# Altium PCB SEG_pressure gauge_don  V3.0.PcbDoc (part 2 of 2)
Units mil, origin at the board's own origin, x right, y up, seen from the top; angles counter-clockwise.
Board outline 2569.04 x 2565.38 mil, 2 copper layers (Top Layer, Bottom Layer); 47 components, 47 nets, 156 pads, 45 vias.
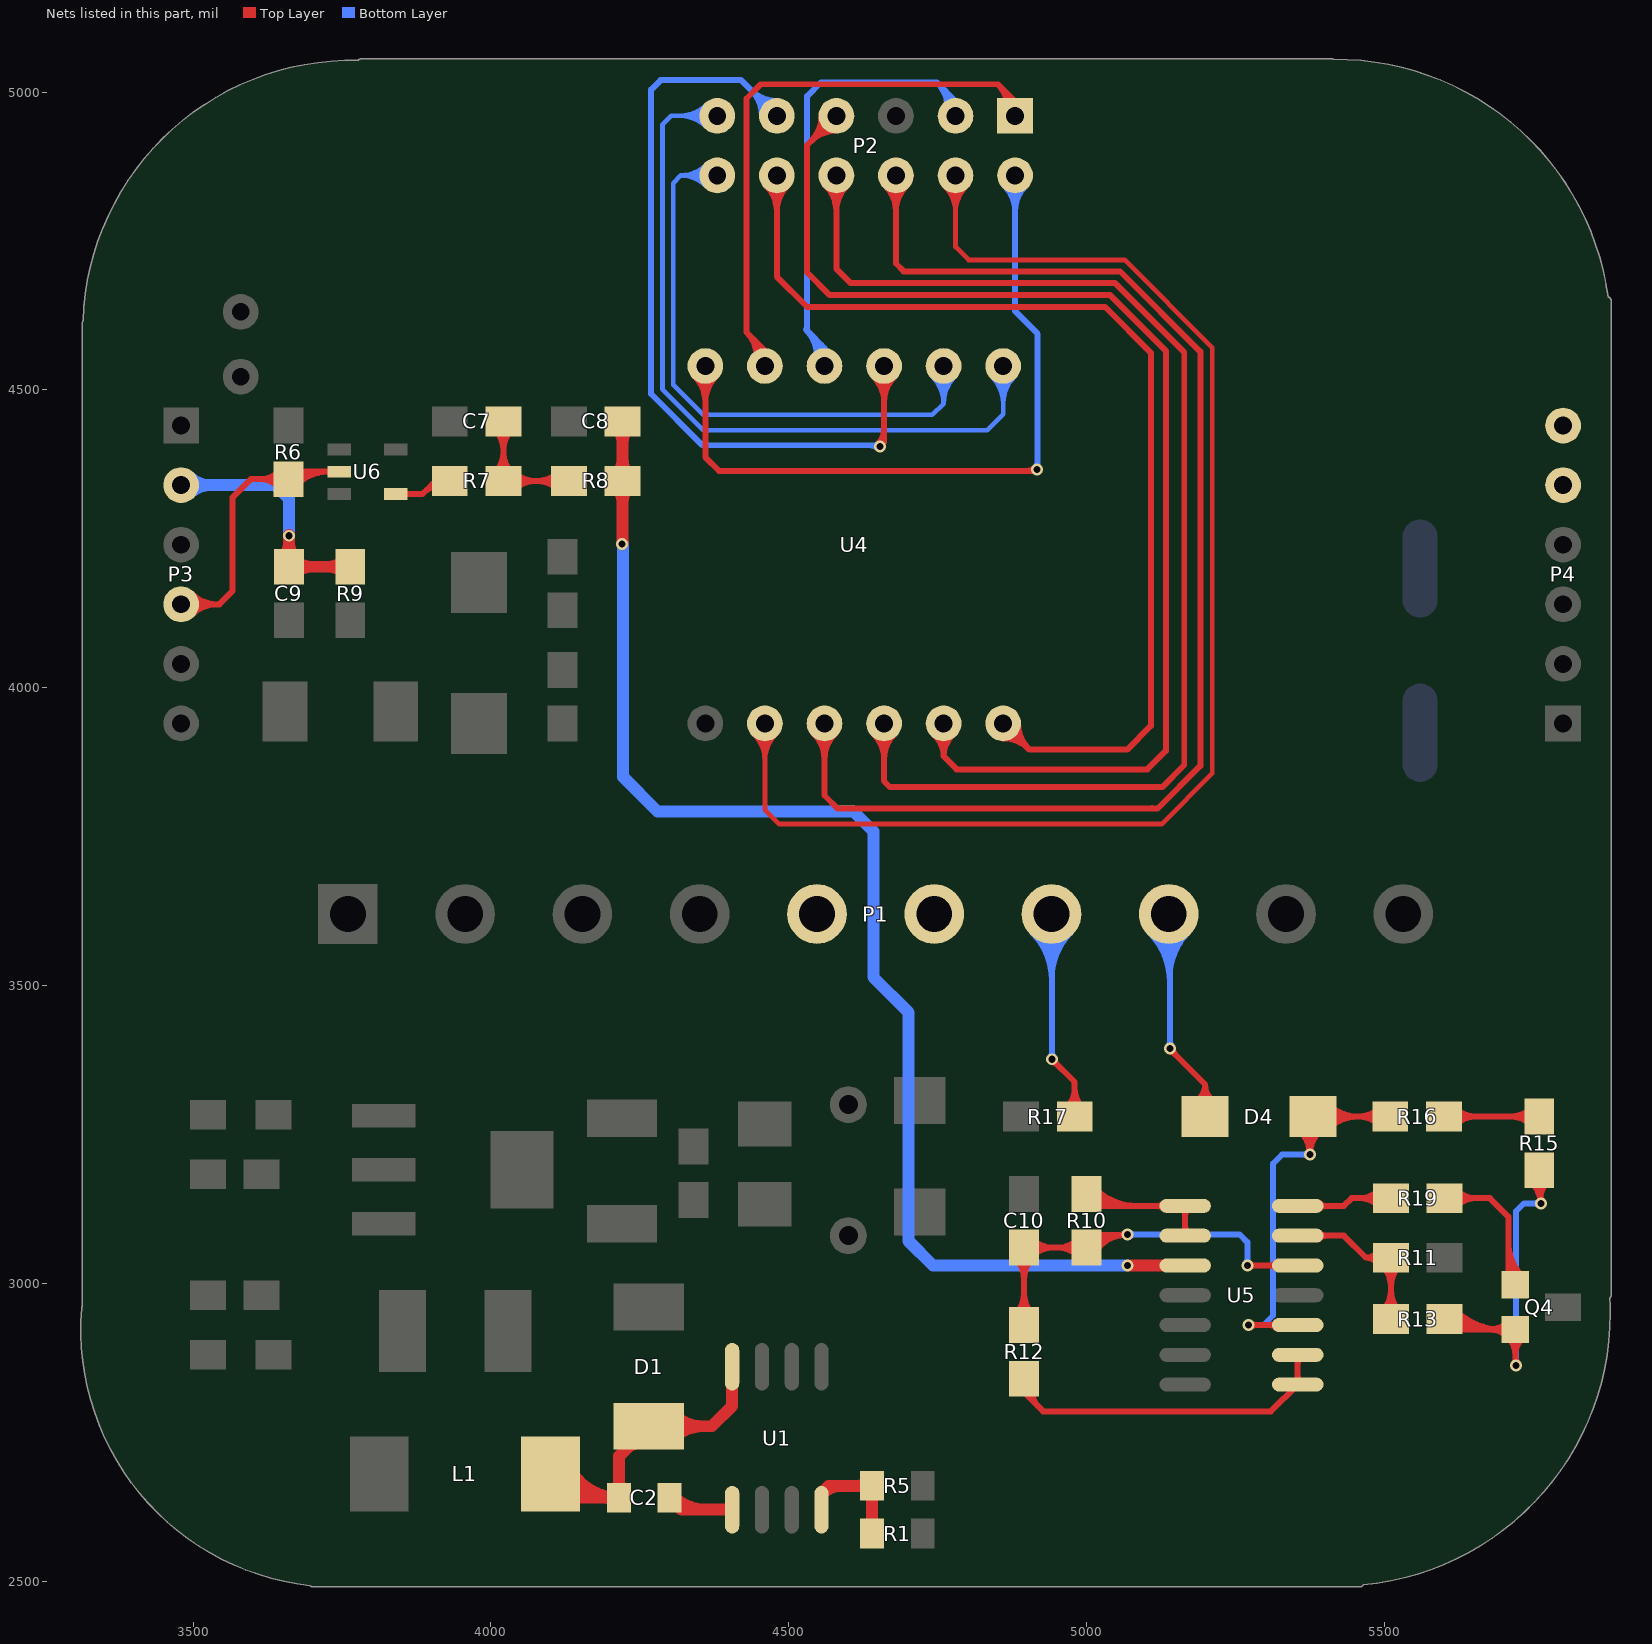
[diagram p2: the nets of this part, all layers, seen from the top]

## Via types
v1: diameter 20, hole 12, Top Layer to Bottom Layer, 45 vias

## Nets (pads, with @x,y where several pads share a name; then routed paths per layer and width w, separated by ;. In a path a pad name is that pad's centre, name@x,y a point inside that pad or via, vN(x,y) a via of type N, cw(c..) or ccw(c..) an arc to the next point about the centre after c; other vN are vias at no path point) (continued)
NetC2_1: C2.1 D1.2 L1.1 U1.8 | length 1360.9
  Top Layer w20: L1.1@4100,2680 4140,2640 C2.1@4215,2640 ; U1.8@4405,2860 4405,2794 4371,2760 D1.2@4265,2760 4215,2710 C2.1@4215,2640 ; 4190.86,2640 cw(c4190.86,2615.86) 4207.93,2632.93 ccw(c4190.86,2615.86) 4190.86,2640 ; 4190.86,2640 ccw(c4190.86,2664.14) 4207.93,2647.07 cw(c4190.86,2664.14) 4190.86,2640 ; C2.1@4215,2640 cw(c4215,2734.55) 4133.71,2686.25 ccw(c4215,2734.55) C2.1@4215,2640 ; 4215,2669.14 cw(c4190.86,2669.14) 4207.93,2652.07 ccw(c4190.86,2669.14) 4215,2669.14 ; 4215,2669.14 ccw(c4239.14,2669.14) 4222.07,2652.07 cw(c4239.14,2669.14) 4215,2669.14 ; 4355.59,2760 cw(c4355.59,2830.91) 4305.45,2780.77 ccw(c4355.59,2830.91) 4355.59,2760 ; 4355.59,2760 ccw(c4355.59,2689.09) 4305.45,2739.23 cw(c4355.59,2689.09) 4355.59,2760 ; L1.1@4099.32,2665.82 ccw(c4144.7,2692.78) 4144.7,2640 cw(c4144.7,2692.78) L1.1@4099.32,2665.82 ; L1.1@4116.52,2676.04 ccw(c4179.85,2713.67) 4179.85,2640 cw(c4179.85,2713.67) L1.1@4116.52,2676.04 ; D1.2@4228.78,2723.78 cw(c4245.31,2707.25) 4245.31,2730.63 ccw(c4245.31,2707.25) D1.2@4228.78,2723.78
NetC2_2: C2.2 U1.1 | length 231.7
  Top Layer w20: C2.2@4300,2640 4320,2620 U1.1@4405,2620 ; C2.2@4307.07,2642.07 ccw(c4360.36,2695.36) 4360.36,2620 cw(c4360.36,2695.36) C2.2@4307.07,2642.07
NetC7_1: C7.1 R7.1 R8.2 | length 816.8
  Top Layer w10: C7.1@4021,4447 R7.1@4021,4347 R8.2@4131,4347 ; 4021,4395.28 cw(c3972.72,4395.28) 4006.86,4361.14 ccw(c3972.72,4395.28) 4021,4395.28 ; 4021,4395.28 ccw(c4069.28,4395.28) 4035.14,4361.14 cw(c4069.28,4395.28) 4021,4395.28 ; 4021,4398.72 cw(c4069.28,4398.72) 4035.14,4432.86 ccw(c4069.28,4398.72) 4021,4398.72 ; 4021,4398.72 ccw(c3972.72,4398.72) 4006.86,4432.86 cw(c3972.72,4398.72) 4021,4398.72 ; 4074.28,4347 cw(c4074.28,4395.28) 4040.14,4361.14 ccw(c4074.28,4395.28) 4074.28,4347 ; 4074.28,4347 ccw(c4074.28,4298.72) 4040.14,4332.86 cw(c4074.28,4298.72) 4074.28,4347 ; 4077.72,4347 cw(c4077.72,4298.72) 4111.86,4332.86 ccw(c4077.72,4298.72) 4077.72,4347 ; 4077.72,4347 ccw(c4077.72,4395.28) 4111.86,4361.14 cw(c4077.72,4395.28) 4077.72,4347
NetC8_1: C8.1 R8.1 U5.3 | length 2590.3
  Top Layer w20: v1(4220,4241) 4221,4242 R8.1@4221,4347 C8.1@4221,4447 ; v1(5069,3030) U5.3@5165.51,3030 ; 4221,4310.79 cw(c4257.21,4310.79) 4231.61,4336.39 ccw(c4257.21,4310.79) 4221,4310.79 ; 4221,4310.79 ccw(c4184.79,4310.79) 4210.39,4336.39 cw(c4184.79,4310.79) 4221,4310.79 ; 4221,4383.21 cw(c4184.79,4383.21) 4210.39,4357.61 ccw(c4184.79,4383.21) 4221,4383.21 ; 4221,4383.21 ccw(c4257.21,4383.21) 4231.61,4357.61 cw(c4257.21,4383.21) 4221,4383.21 ; 4221,4410.79 cw(c4257.21,4410.79) 4231.61,4436.39 ccw(c4257.21,4410.79) 4221,4410.79 ; 4221,4410.79 ccw(c4184.79,4410.79) 4210.39,4436.39 cw(c4184.79,4410.79) 4221,4410.79
  Bottom Layer w20: v1@4222,4241 4222,3850 4280,3792 4609,3792 4642,3759 4642,3514 4701,3455 4701,3071 4742,3030 v1(5069,3030)
NetC9_2: C9.2 P3.2 R9.1 | length 901.5
  Top Layer w20: v1@3661,4256 v1(3661,4255) C9.2@3661,4203 R9.1@3764,4203 ; 3661,4244.21 cw(c3624.79,4244.21) 3650.39,4218.61 ccw(c3624.79,4244.21) 3661,4244.21 ; 3661,4244.21 ccw(c3697.21,4244.21) 3671.61,4218.61 cw(c3697.21,4244.21) 3661,4244.21 ; 3697.21,4203 cw(c3697.21,4239.21) 3671.61,4213.61 ccw(c3697.21,4239.21) 3697.21,4203 ; 3697.21,4203 ccw(c3697.21,4166.79) 3671.61,4192.39 cw(c3697.21,4166.79) 3697.21,4203 ; 3727.79,4203 cw(c3727.79,4166.79) 3753.39,4192.39 ccw(c3727.79,4166.79) 3727.79,4203 ; 3727.79,4203 ccw(c3727.79,4239.21) 3753.39,4213.61 cw(c3727.79,4239.21) 3727.79,4203
  Bottom Layer w20: P3.2@3480,4340 3638,4340 3661,4317 v1(3661,4255) ; 3528.28,4340 cw(c3528.28,4388.28) 3494.14,4354.14 ccw(c3528.28,4388.28) 3528.28,4340 ; 3528.28,4340 ccw(c3528.28,4291.72) 3494.14,4325.86 cw(c3528.28,4291.72) 3528.28,4340
NetC10_1: C10.1 R10.1 R12.2 U5.12 | length 1705.1
  Top Layer w10: R12.2@4895,2930 C10.1@4895,3060 R10.1@5000,3060 5021,3081 v1@5064,3081 ; v1(5270,3030) U5.12@5354.49,3030 ; 4895,2983.28 cw(c4846.72,2983.28) 4880.86,2949.14 ccw(c4846.72,2983.28) 4895,2983.28 ; 4895,2983.28 ccw(c4943.28,2983.28) 4909.14,2949.14 cw(c4943.28,2983.28) 4895,2983.28 ; 4895,3006.72 cw(c4943.28,3006.72) 4909.14,3040.86 ccw(c4943.28,3006.72) 4895,3006.72 ; 4895,3006.72 ccw(c4846.72,3006.72) 4880.86,3040.86 cw(c4846.72,3006.72) 4895,3006.72 ; 4943.28,3060 cw(c4943.28,3108.28) 4909.14,3074.14 ccw(c4943.28,3108.28) 4943.28,3060 ; 4943.28,3060 ccw(c4943.28,3011.72) 4909.14,3045.86 cw(c4943.28,3011.72) 4943.28,3060 ; 4951.72,3060 cw(c4951.72,3011.72) 4985.86,3045.86 ccw(c4951.72,3011.72) 4951.72,3060 ; 4951.72,3060 ccw(c4951.72,3108.28) 4985.86,3074.14 cw(c4951.72,3108.28) 4951.72,3060 ; v1@5064,3081 ccw(c5064,3026.11) 5017.09,3054.61 cw(c5064,3026.11) v1@5064,3081 ; 5282.07,3030 cw(c5282.07,3042.07) 5273.54,3033.54 ccw(c5282.07,3042.07) 5282.07,3030 ; 5282.07,3030 ccw(c5282.07,3017.93) 5273.54,3026.46 cw(c5282.07,3017.93) 5282.07,3030 ; 5306.55,3030 cw(c5306.55,3013.56) 5318.18,3025.18 ccw(c5306.55,3013.56) 5306.55,3030 ; 5306.55,3030 ccw(c5306.55,3046.44) 5318.18,3034.82 cw(c5306.55,3046.44) 5306.55,3030 ; R10.1@5000,3065 cw(c5028.44,3047.72) 5028.44,3081 ccw(c5028.44,3047.72) R10.1@5000,3065 ; R10.1@5008.55,3059.81 cw(c5046.22,3036.92) 5046.22,3081 ccw(c5046.22,3036.92) R10.1@5008.55,3059.81 ; 5054.51,3081 ccw(c5054.51,3096.49) 5065.46,3085.54 cw(c5054.51,3096.49) 5054.51,3081
  Bottom Layer w10: v1(5069,3082) 5257,3082 5270,3069 v1(5270,3030) ; 5081.07,3082 cw(c5081.07,3094.07) 5072.54,3085.54 ccw(c5081.07,3094.07) 5081.07,3082 ; 5081.07,3082 ccw(c5081.07,3069.93) 5072.54,3078.46 cw(c5081.07,3069.93) 5081.07,3082 ; 5270,3042.07 cw(c5257.93,3042.07) 5266.46,3033.54 ccw(c5257.93,3042.07) 5270,3042.07 ; 5270,3042.07 ccw(c5282.07,3042.07) 5273.54,3033.54 cw(c5282.07,3042.07) 5270,3042.07
NetD4_1: D4.1 R16.2 U5.10 | length 1687.3
  Top Layer w10: v1@5270,2930 v1(5272,2930) U5.10@5354.49,2930 ; R16.2@5510,3280 D4.1@5380,3280 5380,3262 5375,3257 v1(5375,3216) ; 5284.07,2930 cw(c5284.07,2942.07) 5275.54,2933.54 ccw(c5284.07,2942.07) 5284.07,2930 ; 5284.07,2930 ccw(c5284.07,2917.93) 5275.54,2926.46 cw(c5284.07,2917.93) 5284.07,2930 ; 5306.55,2930 cw(c5306.55,2913.56) 5318.18,2925.18 ccw(c5306.55,2913.56) 5306.55,2930 ; 5306.55,2930 ccw(c5306.55,2946.44) 5318.18,2934.82 cw(c5306.55,2946.44) 5306.55,2930 ; v1(5375,3216) cw(c5429.67,3216) 5394.19,3257.59 ccw(c5429.67,3216) v1(5375,3216) ; v1(5375,3216) ccw(c5320.04,3216) 5355.88,3257.67 cw(c5320.04,3216) v1(5375,3216) ; 5375,3228.07 cw(c5362.93,3228.07) 5371.46,3219.54 ccw(c5362.93,3228.07) 5375,3228.07 ; 5375,3228.07 ccw(c5387.07,3228.07) 5378.54,3219.54 cw(c5387.07,3228.07) 5375,3228.07 ; 5431.87,3280 cw(c5431.87,3326.95) 5398.67,3293.75 ccw(c5431.87,3326.95) 5431.87,3280 ; 5431.87,3280 ccw(c5431.87,3233.05) 5398.67,3266.25 cw(c5431.87,3233.05) 5431.87,3280 ; 5456.02,3280 cw(c5456.02,3351.1) 5405.74,3300.82 ccw(c5456.02,3351.1) 5456.02,3280 ; 5456.02,3280 ccw(c5456.02,3208.9) 5405.74,3259.18 cw(c5456.02,3208.9) 5456.02,3280 ; 5456.72,3280 cw(c5456.72,3231.72) 5490.86,3265.86 ccw(c5456.72,3231.72) 5456.72,3280 ; 5456.72,3280 ccw(c5456.72,3328.28) 5490.86,3294.14 cw(c5456.72,3328.28) 5456.72,3280 ; D4.1@5362.4,3265.25 cw(c5338.78,3237.79) 5375,3237.79 ccw(c5338.78,3237.79) D4.1@5362.4,3265.25 ; 5375,3237.68 cw(c5411.18,3237.68) 5387.7,3265.2 ccw(c5411.18,3237.68) 5375,3237.68
  Bottom Layer w10: v1(5272,2930) 5297,2930 5313,2946 5313,3201 5328,3216 v1@5371,3216 ; 5284.07,2930 cw(c5284.07,2942.07) 5275.54,2933.54 ccw(c5284.07,2942.07) 5284.07,2930 ; 5284.07,2930 ccw(c5284.07,2917.93) 5275.54,2926.46 cw(c5284.07,2917.93) 5284.07,2930 ; 5362.93,3216 cw(c5362.93,3203.93) 5371.46,3212.46 ccw(c5362.93,3203.93) 5362.93,3216 ; 5362.93,3216 ccw(c5362.93,3228.07) 5371.46,3219.54 cw(c5362.93,3228.07) 5362.93,3216
NetQ4_1: Q4.1 R19.1 | length 675.1
  Top Layer w10: R19.1@5601,3143 5677,3143 5708,3112 5708,3009.5 Q4.1@5720,2997.5 ; 5654.28,3143 cw(c5654.28,3191.28) 5620.14,3157.14 ccw(c5654.28,3191.28) 5654.28,3143 ; 5654.28,3143 ccw(c5654.28,3094.72) 5620.14,3128.86 cw(c5654.28,3094.72) 5654.28,3143 ; 5708,3021.64 ccw(c5744.14,3021.64) 5718.59,2996.09 cw(c5744.14,3021.64) 5708,3021.64 ; 5708,3045.78 ccw(c5768.28,3045.78) 5725.66,3003.16 cw(c5768.28,3045.78) 5708,3045.78 ; 5708,3069.93 ccw(c5792.43,3069.93) 5732.73,3010.23 cw(c5792.43,3069.93) 5708,3069.93
NetQ4_2: Q4.2 R13.1 R15.1 | length 1593.7
  Top Layer w10: R13.1@5601,2940 5618.5,2922.5 Q4.2@5720,2922.5 5720,2862 v1@5720,2860 ; R15.1@5760,3190 5762,3188 v1@5762,3134 ; 5676.54,2922.5 cw(c5676.54,2879.04) Q4.2@5707.27,2909.77 ; 5676.54,2922.5 ccw(c5676.54,2965.96) 5707.27,2935.23 cw(c5676.54,2965.96) 5676.54,2922.5 ; 5676.54,2922.5 cw(c5676.54,2879.04) Q4.2@5707.27,2909.77 ; Q4.2@5707.27,2909.77 cw(c5676.54,2879.04) 5720,2879.04 ; Q4.2@5707.27,2909.77 cw(c5676.54,2879.04) 5720,2879.04 ; 5720,2879.04 cw(c5763.46,2879.04) 5732.73,2909.77 ccw(c5763.46,2879.04) 5720,2879.04 ; R13.1@5598.93,2932.93 ccw(c5624.11,2958.11) 5624.11,2922.5 cw(c5624.11,2958.11) R13.1@5598.93,2932.93 ; R13.1@5606,2940 ccw(c5648.25,2982.25) 5648.25,2922.5 cw(c5648.25,2982.25) R13.1@5606,2940 ; R13.1@5613.07,2947.07 ccw(c5672.39,3006.39) 5672.39,2922.5 cw(c5672.39,3006.39) R13.1@5613.07,2947.07 ; R13.1@5620.14,2954.14 ccw(c5696.53,3030.53) 5696.53,2922.5 cw(c5696.53,3030.53) R13.1@5620.14,2954.14 ; 5720,2876.49 ccw(c5735.49,2876.49) 5724.54,2865.54 cw(c5735.49,2876.49) 5720,2876.49 ; R15.1@5746.27,3170.46 cw(c5711.8,3133.96) 5762,3133.96 ccw(c5711.8,3133.96) R15.1@5746.27,3170.46 ; R15.1@5753.13,3177.73 cw(c5733.71,3157.16) 5762,3157.16 ccw(c5733.71,3157.16) R15.1@5753.13,3177.73 ; v1@5762,3141.54 cw(c5803.46,3141.54) 5774.14,3170.86 ccw(c5803.46,3141.54) v1@5762,3141.54 ; 5762,3148.49 ccw(c5777.49,3148.49) 5766.54,3137.54 cw(c5777.49,3148.49) 5762,3148.49
  Bottom Layer w10: v1(5721,2862) 5721,3121 5734,3134 v1(5763,3134) ; 5721,2874.07 cw(c5708.93,2874.07) 5717.46,2865.54 ccw(c5708.93,2874.07) 5721,2874.07 ; 5721,2874.07 ccw(c5733.07,2874.07) 5724.54,2865.54 cw(c5733.07,2874.07) 5721,2874.07 ; 5750.93,3134 cw(c5750.93,3121.93) 5759.46,3130.46 ccw(c5750.93,3121.93) 5750.93,3134 ; 5750.93,3134 ccw(c5750.93,3146.07) 5759.46,3137.54 cw(c5750.93,3146.07) 5750.93,3134
NetR1_2: R1.2 R5.1 U1.4 | length 325.8
  Top Layer w20: U1.4@4555,2620 4555,2648 4567,2660 R5.1@4640,2660 R1.2@4640,2600 ; 4615.86,2660 cw(c4615.86,2635.86) 4632.93,2652.93 ccw(c4615.86,2635.86) 4615.86,2660 ; 4615.86,2660 ccw(c4615.86,2684.14) 4632.93,2667.07 cw(c4615.86,2684.14) 4615.86,2660 ; U1.4@4556.41,2646.59 cw(c4588.8,2614.2) 4588.8,2660 ccw(c4588.8,2614.2) U1.4@4556.41,2646.59
NetR7_2: R7.2 U6.4 | length 269.8
  Top Layer w10: U6.4@3840,4325.2 3885.2,4325.2 3907,4347 R7.2@3931,4347 ; 3861.53,4325.2 cw(c3861.53,4336.89) 3853.27,4328.62 ccw(c3861.53,4336.89) 3861.53,4325.2 ; 3861.53,4325.2 ccw(c3861.53,4313.51) 3853.27,4321.77 cw(c3861.53,4313.51) 3861.53,4325.2 ; 3887.9,4327.9 cw(c3913.79,4302.01) 3923.38,4337.35 ccw(c3913.79,4302.01) 3887.9,4327.9 ; 3900.11,4340.11 cw(c3919,4321.21) 3926,4347 ccw(c3919,4321.21) 3900.11,4340.11
NetR10_2: R10.2 U5.1 U5.2 | length 733.9
  Top Layer w10: R10.2@5000,3150 5020,3130 U5.1@5165.51,3130 U5.2@5165.51,3080 ; 5117.57,3130 cw(c5117.57,3113.56) 5129.2,3125.18 ccw(c5117.57,3113.56) 5117.57,3130 ; 5117.57,3130 ccw(c5117.57,3146.44) 5129.2,3134.82 cw(c5117.57,3146.44) 5117.57,3130 ; 5165.51,3096.44 cw(c5149.07,3096.44) 5160.7,3084.82 ccw(c5149.07,3096.44) 5165.51,3096.44 ; 5165.51,3096.44 ccw(c5181.95,3096.44) 5170.33,3084.82 cw(c5181.95,3096.44) 5165.51,3096.44 ; 5165.51,3113.56 cw(c5181.95,3113.56) 5170.33,3125.18 ccw(c5181.95,3113.56) 5165.51,3113.56 ; 5165.51,3113.56 ccw(c5149.07,3113.56) 5160.7,3125.18 cw(c5149.07,3113.56) 5165.51,3113.56 ; R10.2@5000,3145 ccw(c5036.21,3181.21) 5036.21,3130 cw(c5036.21,3181.21) R10.2@5000,3145 ; R10.2@5007.07,3152.07 ccw(c5060.36,3205.36) 5060.36,3130 cw(c5060.36,3205.36) R10.2@5007.07,3152.07 ; R10.2@5014.14,3159.14 ccw(c5084.5,3229.5) 5084.5,3130 cw(c5084.5,3229.5) R10.2@5014.14,3159.14
NetR11_1: R11.1 R13.2 U5.13 | length 725.9
  Top Layer w10: U5.13@5354.49,3080 5432,3080 5469,3043 ; R13.2@5511,2940 R11.1@5511,3043 5469,3043 ; 5402.43,3080 cw(c5402.43,3096.44) 5390.8,3084.82 ccw(c5402.43,3096.44) 5402.43,3080 ; 5402.43,3080 ccw(c5402.43,3063.56) 5390.8,3075.18 cw(c5402.43,3063.56) 5402.43,3080 ; 5469,3043 cw(c5469,3018.78) 5489.27,3032.05 ccw(c5469,3018.78) 5469,3043 ; 5469,3043 ccw(c5469,3067.22) 5489.27,3053.95 cw(c5469,3067.22) 5469,3043 ; 5511,2988.28 cw(c5462.72,2988.28) 5496.86,2954.14 ccw(c5462.72,2988.28) 5511,2988.28 ; 5511,2988.28 ccw(c5559.28,2988.28) 5525.14,2954.14 cw(c5559.28,2988.28) 5511,2988.28 ; 5511,2994.72 cw(c5559.28,2994.72) 5525.14,3028.86 ccw(c5559.28,2994.72) 5511,2994.72 ; 5511,2994.72 ccw(c5462.72,2994.72) 5496.86,3028.86 cw(c5462.72,2994.72) 5511,2994.72
NetR12_1: R12.1 U5.8 U5.9 | length 794.8
  Top Layer w10: R12.1@4895,2840 4895,2817 4927,2785 5309.49,2785 U5.8@5354.49,2830 U5.9@5354.49,2880 ; 5354.49,2846.44 cw(c5338.05,2846.44) 5349.67,2834.82 ccw(c5338.05,2846.44) 5354.49,2846.44 ; 5354.49,2846.44 ccw(c5370.93,2846.44) 5359.3,2834.82 cw(c5370.93,2846.44) 5354.49,2846.44 ; 5354.49,2863.56 cw(c5370.93,2863.56) 5359.3,2875.18 ccw(c5370.93,2863.56) 5354.49,2863.56 ; 5354.49,2863.56 ccw(c5338.05,2863.56) 5349.67,2875.18 cw(c5338.05,2863.56) 5354.49,2863.56 ; R12.1@4903.93,2830.5 ccw(c4924.55,2820.11) 4908.22,2803.78 cw(c4924.55,2820.11) R12.1@4903.93,2830.5 ; R12.1@4912.86,2826 ccw(c4937.55,2813.55) 4918,2794 cw(c4937.55,2813.55) R12.1@4912.86,2826
NetR15_2: R15.2 R16.1 | length 463.4
  Top Layer w10: R16.1@5600,3280 R15.2@5760,3280 ; 5653.28,3280 cw(c5653.28,3328.28) 5619.14,3294.14 ccw(c5653.28,3328.28) 5653.28,3280 ; 5653.28,3280 ccw(c5653.28,3231.72) 5619.14,3265.86 cw(c5653.28,3231.72) 5653.28,3280 ; 5711.72,3280 cw(c5711.72,3231.72) 5745.86,3265.86 ccw(c5711.72,3231.72) 5711.72,3280 ; 5711.72,3280 ccw(c5711.72,3328.28) 5745.86,3294.14 cw(c5711.72,3328.28) 5711.72,3280
NetR19_2: R19.2 U5.14 | length 365.2
  Top Layer w10: U5.14@5354.49,3130 5432,3130 5445,3143 R19.2@5511,3143 ; 5402.43,3130 cw(c5402.43,3146.44) 5390.8,3134.82 ccw(c5402.43,3146.44) 5402.43,3130 ; 5402.43,3130 ccw(c5402.43,3113.56) 5390.8,3125.18 cw(c5402.43,3113.56) 5402.43,3130 ; 5457.72,3143 cw(c5457.72,3094.72) 5491.86,3128.86 ccw(c5457.72,3094.72) 5457.72,3143 ; 5457.72,3143 ccw(c5457.72,3191.28) 5491.86,3157.14 cw(c5457.72,3191.28) 5457.72,3143
OUT4-20_1: P1.7 R17.1 | length 1381
  Top Layer w10: v1@4941.1,3376.9 v1(4941.8,3376.2) 4980,3338 R17.1@4980,3280 ; 4950.34,3367.66 cw(c4958.87,3376.2) 4946.8,3376.2 ccw(c4958.87,3376.2) 4950.34,3367.66 ; 4950.34,3367.66 ccw(c4941.8,3359.13) 4941.8,3371.2 cw(c4941.8,3359.13) 4950.34,3367.66 ; 4980,3328.28 cw(c4931.72,3328.28) 4965.86,3294.14 ccw(c4931.72,3328.28) 4980,3328.28 ; 4980,3328.28 ccw(c5028.28,3328.28) 4994.14,3294.14 cw(c5028.28,3328.28) 4980,3328.28
  Bottom Layer w10: P1.7@4941.1,3620 4941.8,3619.3 v1(4941.8,3376.2) ; 4941.8,3388.27 cw(c4929.73,3388.27) 4938.27,3379.73 ccw(c4929.73,3388.27) 4941.8,3388.27 ; 4941.8,3388.27 ccw(c4953.87,3388.27) 4945.34,3379.73 cw(c4953.87,3388.27) 4941.8,3388.27 ; P1.7@4909.28,3588.18 cw(c4830.77,3509.67) 4941.8,3509.67 ccw(c4830.77,3509.67) P1.7@4909.28,3588.18 ; P1.7@4916.35,3595.25 cw(c4854.91,3533.81) 4941.8,3533.81 ccw(c4854.91,3533.81) P1.7@4916.35,3595.25 ; P1.7@4923.42,3602.32 cw(c4879.05,3557.95) 4941.8,3557.95 ccw(c4879.05,3557.95) P1.7@4923.42,3602.32 ; 4941.8,3513.05 cw(c5048.05,3513.05) 4972.92,3588.18 ccw(c5048.05,3513.05) 4941.8,3513.05 ; 4941.8,3537.2 cw(c5023.91,3537.2) 4965.85,3595.25 ccw(c5023.91,3537.2) 4941.8,3537.2 ; 4941.8,3561.34 cw(c4999.76,3561.34) 4958.78,3602.32 ccw(c4999.76,3561.34) 4941.8,3561.34
OUT4-20_2: D4.2 P1.8 | length 1507.6
  Top Layer w10: P1.8@5112,3620 5124.98,3607.02 P1.8@5138,3594 ; v1@5138,3395 5139.5,3393.5 5198.9,3334.1 ; D4.2@5198.9,3280 5198.9,3334.1 ; 5198.9,3315.73 cw(c5175.8,3315.73) 5188.34,3296.33 ccw(c5175.8,3315.73) 5198.9,3315.73 ; 5198.9,3315.73 ccw(c5221.99,3315.73) 5209.46,3296.33 cw(c5221.99,3315.73) 5198.9,3315.73 ; 5198.9,3334.1 cw(c5163.93,3334.1) 5182.91,3304.73 ccw(c5163.93,3334.1) 5198.9,3334.1 ; 5198.9,3334.1 ccw(c5233.87,3334.1) 5214.88,3304.73 cw(c5233.87,3334.1) 5198.9,3334.1 ; v1@5140,3389 cw(c5140,3379.34) 5146.83,3386.17 ccw(c5140,3379.34) v1@5140,3389 ; v1@5145,3394 ccw(c5159.49,3394) 5149.24,3383.76 cw(c5159.49,3394) v1@5145,3394
  Bottom Layer w10: P1.8@5137.95,3620 5140,3617.95 v1(5140,3394) ; 5140,3406.07 cw(c5127.93,3406.07) 5136.46,3397.54 ccw(c5127.93,3406.07) 5140,3406.07 ; 5140,3406.07 ccw(c5152.07,3406.07) 5143.54,3397.54 cw(c5152.07,3406.07) 5140,3406.07 ; P1.8@5106.13,3588.18 cw(c5024.37,3506.42) 5140,3506.42 ccw(c5024.37,3506.42) P1.8@5106.13,3588.18 ; P1.8@5113.2,3595.25 cw(c5048.51,3530.56) 5140,3530.56 ccw(c5048.51,3530.56) P1.8@5113.2,3595.25 ; P1.8@5120.27,3602.32 cw(c5072.65,3554.7) 5140,3554.7 ccw(c5072.65,3554.7) P1.8@5120.27,3602.32 ; 5140,3516.3 cw(c5241.65,3516.3) 5169.77,3588.18 ccw(c5241.65,3516.3) 5140,3516.3 ; 5140,3540.45 cw(c5217.51,3540.45) 5162.7,3595.25 ccw(c5217.51,3540.45) 5140,3540.45 ; 5140,3564.59 cw(c5193.36,3564.59) 5155.63,3602.32 ccw(c5193.36,3564.59) 5140,3564.59
OUT_A1: P1.5
OUT_B1: P1.6
PWM: P3.4 R6.1 U6.2 | length 1171.8
  Top Layer w10: P3.4@3480,4140 3544,4140 3566,4162 3566,4319 3597,4350 R6.1@3660,4350 3672.6,4362.6 U6.2@3745.51,4362.6 ; 3516.21,4140 cw(c3516.21,4176.21) 3490.61,4150.61 ccw(c3516.21,4176.21) 3516.21,4140 ; 3516.21,4140 ccw(c3516.21,4103.79) 3490.61,4129.39 cw(c3516.21,4103.79) 3516.21,4140 ; 3540.36,4140 cw(c3540.36,4200.36) 3497.68,4157.68 ccw(c3540.36,4200.36) 3540.36,4140 ; 3540.36,4140 ccw(c3540.36,4079.64) 3497.68,4122.32 cw(c3540.36,4079.64) 3540.36,4140 ; 3611.72,4350 cw(c3611.72,4301.72) 3645.86,4335.86 ccw(c3611.72,4301.72) 3611.72,4350 ; 3611.72,4350 ccw(c3611.72,4398.28) 3645.86,4364.14 cw(c3611.72,4398.28) 3611.72,4350 ; 3723.98,4362.6 cw(c3723.98,4350.91) 3732.25,4359.17 ccw(c3723.98,4350.91) 3723.98,4362.6 ; 3723.98,4362.6 ccw(c3723.98,4374.29) 3732.25,4366.02 cw(c3723.98,4374.29) 3723.98,4362.6 ; R6.1@3667.07,4347.93 cw(c3702.49,4312.51) 3702.49,4362.6 ccw(c3702.49,4312.51) R6.1@3667.07,4347.93 ; R6.1@3674.14,4340.86 cw(c3726.63,4288.37) 3726.63,4362.6 ccw(c3726.63,4288.37) R6.1@3674.14,4340.86 ; R6.1@3674.14,4369.14 ccw(c3689.94,4384.94) 3689.94,4362.6 cw(c3689.94,4384.94) R6.1@3674.14,4369.14
RX: P4.5
SEG1: P2.12 U4.a | length 1616.9
  Bottom Layer w8: P2.12@4380,4860 4319,4860 ; U4.a@4760,4540 4760,4477 4741,4458 4356.33,4458 4306,4508.33 4306,4847 4319,4860 ; 4319,4860 cw(c4319,4801.45) 4361.24,4842 ccw(c4319,4801.45) 4319,4860 ; 4319,4860 ccw(c4319,4918.55) 4361.24,4878 cw(c4319,4918.55) 4319,4860 ; 4337.77,4860 cw(c4337.77,4819.46) 4367.01,4847.54 ccw(c4337.77,4819.46) 4337.77,4860 ; 4337.77,4860 ccw(c4337.77,4900.54) 4367.01,4872.46 cw(c4337.77,4900.54) 4337.77,4860 ; 4760,4477.23 cw(c4822.77,4477.23) 4778.38,4521.62 ccw(c4822.77,4477.23) 4760,4477.23 ; 4760,4477.23 ccw(c4697.23,4477.23) 4741.62,4521.62 cw(c4697.23,4477.23) 4760,4477.23 ; 4760,4496.54 cw(c4803.46,4496.54) 4772.73,4527.27 ccw(c4803.46,4496.54) 4760,4496.54 ; 4760,4496.54 ccw(c4716.54,4496.54) 4747.27,4527.27 cw(c4716.54,4496.54) 4760,4496.54
SEG2: P2.7 U4.b | length 1896
  Top Layer w10: U4.b@4360,4540 4360,4387 4383,4364 v1@4909,4364 ; v1@4915,4364 v1@4909,4364 ; v1@4918,4364 4917,4364 v1@4909,4364 ; 4360,4479.64 cw(c4420.36,4479.64) 4377.68,4522.32 ccw(c4420.36,4479.64) 4360,4479.64 ; 4360,4479.64 ccw(c4299.64,4479.64) 4342.32,4522.32 cw(c4299.64,4479.64) 4360,4479.64 ; 4360,4503.79 cw(c4396.21,4503.79) 4370.61,4529.39 ccw(c4396.21,4503.79) 4360,4503.79 ; 4360,4503.79 ccw(c4323.79,4503.79) 4349.39,4529.39 cw(c4323.79,4503.79) 4360,4503.79 ; 4900.1,4364 ccw(c4900.1,4382.9) 4913.46,4369.54 cw(c4900.1,4382.9) 4900.1,4364
  Bottom Layer w10: P2.7@4880,4860 4880,4632 4918,4594 v1@4918,4367 ; 4880,4799.64 cw(c4940.36,4799.64) 4897.68,4842.32 ccw(c4940.36,4799.64) 4880,4799.64 ; 4880,4799.64 ccw(c4819.64,4799.64) 4862.32,4842.32 cw(c4819.64,4799.64) 4880,4799.64 ; 4880,4823.79 cw(c4916.21,4823.79) 4890.61,4849.39 ccw(c4916.21,4823.79) 4880,4823.79 ; 4880,4823.79 ccw(c4843.79,4823.79) 4869.39,4849.39 cw(c4843.79,4823.79) 4880,4823.79 ; v1@4913.46,4369.54 ccw(c4902.51,4380.49) 4918,4380.49 cw(c4902.51,4380.49) v1@4913.46,4369.54
  other v1: 4917,4366
SEG3: P2.9 U4.c | length 2814.6
  Top Layer w10: U4.c@4560,3940 4560,3819 4582,3797 5109,3797 ; P2.9@4680,4860 4680,4712 4693,4699 5056.13,4699 5191,4564.13 5191,3868.87 5119.13,3797 5109,3797 ; 5110,3798 5109,3797 ; 4560,3879.64 cw(c4620.36,3879.64) 4577.68,3922.32 ccw(c4620.36,3879.64) 4560,3879.64 ; 4560,3879.64 ccw(c4499.64,3879.64) 4542.32,3922.32 cw(c4499.64,3879.64) 4560,3879.64 ; 4560,3903.79 cw(c4596.21,3903.79) 4570.61,3929.39 ccw(c4596.21,3903.79) 4560,3903.79 ; 4560,3903.79 ccw(c4523.79,3903.79) 4549.39,3929.39 cw(c4523.79,3903.79) 4560,3903.79 ; 4680,4799.64 cw(c4740.36,4799.64) 4697.68,4842.32 ccw(c4740.36,4799.64) 4680,4799.64 ; 4680,4799.64 ccw(c4619.64,4799.64) 4662.32,4842.32 cw(c4619.64,4799.64) 4680,4799.64 ; 4680,4823.79 cw(c4716.21,4823.79) 4690.61,4849.39 ccw(c4716.21,4823.79) 4680,4823.79 ; 4680,4823.79 ccw(c4643.79,4823.79) 4669.39,4849.39 cw(c4643.79,4823.79) 4680,4823.79
SEG4: P2.4 U4.d | length 2626.7
  Top Layer w10: P2.4@4580,4960 4531,4911 4531,4697 4569,4659 5039.56,4659 5133,4565.56 5133,3894 5102,3863 4782,3863 4760,3885 ; U4.d@4760,3940 4760,3885 ; 4537.32,4917.32 cw(c4580,4874.64) 4580,4935 ccw(c4580,4874.64) 4537.32,4917.32 ; 4537.32,4917.32 ccw(c4494.64,4960) 4555,4960 cw(c4494.64,4960) 4537.32,4917.32 ; 4554.39,4934.39 cw(c4580,4908.79) 4580,4945 ccw(c4580,4908.79) 4554.39,4934.39 ; 4554.39,4934.39 ccw(c4528.79,4960) 4565,4960 cw(c4528.79,4960) 4554.39,4934.39 ; 4760,3885 cw(c4807.99,3885) 4776.44,3921.16 ccw(c4807.99,3885) 4760,3885 ; 4760,3885 ccw(c4712.01,3885) 4743.56,3921.16 cw(c4712.01,3885) 4760,3885 ; 4760,3907 cw(c4788.8,3907) 4769.86,3928.7 ccw(c4788.8,3907) 4760,3907 ; 4760,3907 ccw(c4731.2,3907) 4750.14,3928.7 cw(c4731.2,3907) 4760,3907
SEG5: P2.11 U4.e | length 2366.7
  Top Layer w10: P2.11@4480,4860 4480,4690 4531,4639 5031.28,4639 5108,4562.28 5108,3936 5068,3896 4904,3896 U4.e@4860,3940 ; 4480,4799.64 cw(c4540.36,4799.64) 4497.68,4842.32 ccw(c4540.36,4799.64) 4480,4799.64 ; 4480,4799.64 ccw(c4419.64,4799.64) 4462.32,4842.32 cw(c4419.64,4799.64) 4480,4799.64 ; 4480,4823.79 cw(c4516.21,4823.79) 4490.61,4849.39 ccw(c4516.21,4823.79) 4480,4823.79 ; 4480,4823.79 ccw(c4443.79,4823.79) 4469.39,4849.39 cw(c4443.79,4823.79) 4480,4823.79 ; 4885.61,3914.39 cw(c4911.21,3940) 4875,3940 ccw(c4911.21,3940) 4885.61,3914.39 ; 4885.61,3914.39 ccw(c4860,3888.79) 4860,3925 cw(c4860,3888.79) 4885.61,3914.39 ; 4902.68,3897.32 cw(c4945.36,3940) 4885,3940 ccw(c4945.36,3940) 4902.68,3897.32 ; 4902.68,3897.32 ccw(c4860,3854.64) 4860,3915 cw(c4860,3854.64) 4902.68,3897.32
SEG6: P2.5 U4.f | length 2003.6
  Top Layer w10: v1(4653,4405) 4660,4412 U4.f@4660,4540 ; 4660,4479.64 cw(c4720.36,4479.64) 4677.68,4522.32 ccw(c4720.36,4479.64) 4660,4479.64 ; 4660,4479.64 ccw(c4599.64,4479.64) 4642.32,4522.32 cw(c4599.64,4479.64) 4660,4479.64 ; 4660,4503.79 cw(c4696.21,4503.79) 4670.61,4529.39 ccw(c4696.21,4503.79) 4660,4503.79 ; 4660,4503.79 ccw(c4623.79,4503.79) 4649.39,4529.39 cw(c4623.79,4503.79) 4660,4503.79 ; v1@4649.46,4408.54 ccw(c4624.03,4433.97) 4660,4433.97 cw(c4624.03,4433.97) v1@4649.46,4408.54
  Bottom Layer w10: P2.5@4480,4960 4420,5020 4285,5020 4269,5004 4269,4493 4355,4407 4647,4407 4649,4409 v1@4651,4411 ; 4437.32,5002.68 cw(c4394.64,4960) 4455,4960 ccw(c4394.64,4960) 4437.32,5002.68 ; 4437.32,5002.68 ccw(c4480,5045.36) 4480,4985 cw(c4480,5045.36) 4437.32,5002.68 ; 4454.39,4985.61 cw(c4428.79,4960) 4465,4960 ccw(c4428.79,4960) 4454.39,4985.61 ; 4454.39,4985.61 ccw(c4480,5011.21) 4480,4975 cw(c4480,5011.21) 4454.39,4985.61 ; 4636.1,4407 cw(c4636.1,4388.1) 4649.46,4401.46 ccw(c4636.1,4388.1) 4636.1,4407
SEG7: P2.8 U4.g | length 2944.6
  Top Layer w8: U4.g@4460,3940 4460,3795 4484,3771 5126,3771 5211,3856 5211,4571 5064,4718 4802,4718 4780,4740 P2.8@4780,4860 ; 4460,3877.23 cw(c4522.77,3877.23) 4478.38,3921.62 ccw(c4522.77,3877.23) 4460,3877.23 ; 4460,3877.23 ccw(c4397.23,3877.23) 4441.62,3921.62 cw(c4397.23,3877.23) 4460,3877.23 ; 4460,3896.54 cw(c4503.46,3896.54) 4472.73,3927.27 ccw(c4503.46,3896.54) 4460,3896.54 ; 4460,3896.54 ccw(c4416.54,3896.54) 4447.27,3927.27 cw(c4416.54,3896.54) 4460,3896.54 ; 4780,4797.23 cw(c4842.77,4797.23) 4798.38,4841.62 ccw(c4842.77,4797.23) 4780,4797.23 ; 4780,4797.23 ccw(c4717.23,4797.23) 4761.62,4841.62 cw(c4717.23,4797.23) 4780,4797.23 ; 4780,4816.54 cw(c4823.46,4816.54) 4792.73,4847.27 ccw(c4823.46,4816.54) 4780,4816.54 ; 4780,4816.54 ccw(c4736.54,4816.54) 4767.27,4847.27 cw(c4736.54,4816.54) 4780,4816.54
SEG8: P2.10 U4.dot | length 2719
  Top Layer w10: P2.10@4580,4860 4580,4703 4604,4679 5047.85,4679 5164,4562.85 5164,3870.15 5126.85,3833 4670,3833 4660,3843 U4.dot@4660,3940 ; 4580,4799.64 cw(c4640.36,4799.64) 4597.68,4842.32 ccw(c4640.36,4799.64) 4580,4799.64 ; 4580,4799.64 ccw(c4519.64,4799.64) 4562.32,4842.32 cw(c4519.64,4799.64) 4580,4799.64 ; 4580,4823.79 cw(c4616.21,4823.79) 4590.61,4849.39 ccw(c4616.21,4823.79) 4580,4823.79 ; 4580,4823.79 ccw(c4543.79,4823.79) 4569.39,4849.39 cw(c4543.79,4823.79) 4580,4823.79 ; 4660,3879.64 cw(c4720.36,3879.64) 4677.68,3922.32 ccw(c4720.36,3879.64) 4660,3879.64 ; 4660,3879.64 ccw(c4599.64,3879.64) 4642.32,3922.32 cw(c4599.64,3879.64) 4660,3879.64 ; 4660,3903.79 cw(c4696.21,3903.79) 4670.61,3929.39 ccw(c4696.21,3903.79) 4660,3903.79 ; 4660,3903.79 ccw(c4623.79,3903.79) 4649.39,3929.39 cw(c4623.79,3903.79) 4660,3903.79
SEG9: P2.6 U4.1 | length 1916.6
  Bottom Layer w8: 4293,4950 4303,4960 ; P2.6@4380,4960 4303,4960 ; U4.1@4860,4540 4860,4459 4833,4432 4356.87,4432 4288,4500.87 4288,4945 4303,4960 ; 4317.23,4960 cw(c4317.23,4897.23) 4361.62,4941.62 ccw(c4317.23,4897.23) 4317.23,4960 ; 4317.23,4960 ccw(c4317.23,5022.77) 4361.62,4978.38 cw(c4317.23,5022.77) 4317.23,4960 ; 4336.54,4960 cw(c4336.54,4916.54) 4367.27,4947.27 ccw(c4336.54,4916.54) 4336.54,4960 ; 4336.54,4960 ccw(c4336.54,5003.46) 4367.27,4972.73 cw(c4336.54,5003.46) 4336.54,4960 ; 4860,4477.23 cw(c4922.77,4477.23) 4878.38,4521.62 ccw(c4922.77,4477.23) 4860,4477.23 ; 4860,4477.23 ccw(c4797.23,4477.23) 4841.62,4521.62 cw(c4797.23,4477.23) 4860,4477.23 ; 4860,4496.54 cw(c4903.46,4496.54) 4872.73,4527.27 ccw(c4903.46,4496.54) 4860,4496.54 ; 4860,4496.54 ccw(c4816.54,4496.54) 4847.27,4527.27 cw(c4816.54,4496.54) 4860,4496.54
SEG10: P2.2 U4.2 | length 1273.5
  Bottom Layer w10: U4.2@4560,4540 4560,4570 4531,4599 4531,4993 4554,5016 4749,5016 4780,4985 P2.2@4780,4960 ; 4528.77,4601.23 cw(c4484.84,4557.3) 4545.38,4543.36 ccw(c4484.84,4557.3) 4528.77,4601.23 ; 4541.54,4588.46 cw(c4505.59,4552.52) 4555.13,4541.12 ccw(c4505.59,4552.52) 4541.54,4588.46 ; 4554.3,4575.7 cw(c4526.35,4547.75) 4564.87,4538.88 ccw(c4526.35,4547.75) 4554.3,4575.7 ; 4749.62,5015.38 cw(c4708.9,4974.65) 4765.31,4963.03 ccw(c4708.9,4974.65) 4749.62,5015.38 ; 4762.74,5002.26 cw(c4730.65,4970.17) 4775.1,4961.01 ccw(c4730.65,4970.17) 4762.74,5002.26
SEG11: P2.1 U4.3 | length 1427.4
  Top Layer w10: U4.3@4460,4540 4460,4566 4429,4597 4429,4989 4453,5013 4851,5013 4880,4984 P2.1@4880,4960 ; 4429.14,4596.86 cw(c4387.2,4554.92) 4445.31,4543.01 ccw(c4387.2,4554.92) 4429.14,4596.86 ; 4442.28,4583.72 cw(c4409.01,4550.45) 4455.1,4541 ccw(c4409.01,4550.45) 4442.28,4583.72 ; 4455.42,4570.58 cw(c4430.81,4545.98) 4464.9,4539 ccw(c4430.81,4545.98) 4455.42,4570.58 ; 4851.63,5012.37 cw(c4814.89,4975.63) 4865.41,4963.5 ccw(c4814.89,4975.63) 4851.63,5012.37 ; 4864.26,4999.74 cw(c4835.25,4970.74) 4875.14,4961.17 ccw(c4835.25,4970.74) 4864.26,4999.74
TX: P4.6
pads on no net: P1.4 P2.3 U1.2 U1.3 U1.5 U2.4 U4.6 U5.5 U5.6 U5.7

## Polygon pours and split planes (outlines as drawn)
GND on Bottom Layer "1" (solid, remove dead copper, pour order 1004): 5335.12,3713.96 5347.12,3713.96 cw(c5347.12,3642.96) 5418.12,3642.96 5418.12,3456.96 cw(c5415.12,3456.96) 5415.12,3453.96 5329.12,3453.96 cw(c5329.12,3529.96) 5253.12,3529.96 5253.12,3634.96 cw(c5330.12,3634.96) 5330.12,3711.96
GND on Bottom Layer "1" (solid, remove dead copper, pour order 1003): 4251,4521 4251,4239 4025.42,4239 4009,4239 4009,4507
GND on Bottom Layer "1" (solid, remove dead copper, pour order 1002): 3214,4806 3214,4463 3218.82,4458 3231.35,4471 4186.39,4471 4201.81,4471 4245.18,4516 4250,4521 4250,4731 3281.46,4731 3271.82,4721
GND on Bottom Layer "1" (solid, remove dead copper, pour order 1001): 3718,3433 3695,3410 3042,3410 3042,4488 3181,4627 3189,4635 3653,4635 3786,4635 3789,4632 3842,4579 3842,3463
GND on Bottom Layer "1" (solid, remove dead copper, pour order 1000): 6277,2720 5924.29,2367.29 cw(c5853.58,2438) 5853.58,2338 3322,2338 3306.42,2338 cw(c3306.42,2438) 3235.71,2367.29 3017,2586 2989.29,2613.71 cw(c3060,2684.42) 2960,2684.42 2960,3431 3012.71,3483.71 cw(c3083.42,3413) 3083.42,3513 6159,3513
GND on Top Solder "1" (solid): 4431,2781 4431,2708 4522,2708 4522,2772 4522,2781

## Keep-outs
Keep-Out Layer:
  lines w10: 3318,2958 ccw(c3744.41,2922.59) 3709,2496.18 ; 3320.18,4613 cw(c3767.09,4601.09) 3779,5048 ; 5406,5049.72 cw(c5418.5,4593.5) 5874.72,4606 ; 5456,2498 ccw(c5421.5,2949.5) 5873,2984
  lines w11.81: 3320.18,2954 3320.18,4613 ; 3701,2496.18 5459,2496.18 ; 3782,5049.72 5412,5049.72 ; 5874.72,2980 5874.72,4650

## Other copper
Bottom Layer:
  text "Gauge V3.0" at 5656,4847 h60

## Silkscreen, mask and mechanical layers (free items; w line width, h text height)
Top Overlay:
  text "20151206" at 5227,4803 h60
Bottom Overlay:
  lines w10: 4937,3541 4935.99,3367.29 4960,3343 ; 4983.02,3337.65 5092.22,3337.02 ; 5114,3348 5134.02,3367.78 5135,3537
  text "传感器信号" at 3771,3337 h120 r90
  text "传感器接地" at 3970,3335 h120 r90
  text "传感器电源" at 4184,3335 h120 r90
  text "模拟量输出" at 5074,3285 h120 r90
  text "GND" at 5359,3282 h120 r90
  text "24V" at 5588,3277 h120 r90

## Text inside footprints (layer, text, board x,y; h text height)
P2: Top Overlay "12" at 4300,4880 h50 r180; Top Overlay "6" at 4300,4980 h50 r180; Top Overlay "1" at 4980,4980 h50 r180; Top Overlay "7" at 4980,4880 h50 r180